# Altium PCB mach PCB.PcbDoc (part 1 of 6)
Units mm, origin at the board's own origin, x right, y up, seen from the top; angles counter-clockwise.
Board outline 300.6 x 300.64 mm, 2 copper layers (Top Layer, Bottom Layer); 688 components, 737 nets, 3205 pads, 25 vias.
Unrouted connection lines stored in the file: 1.
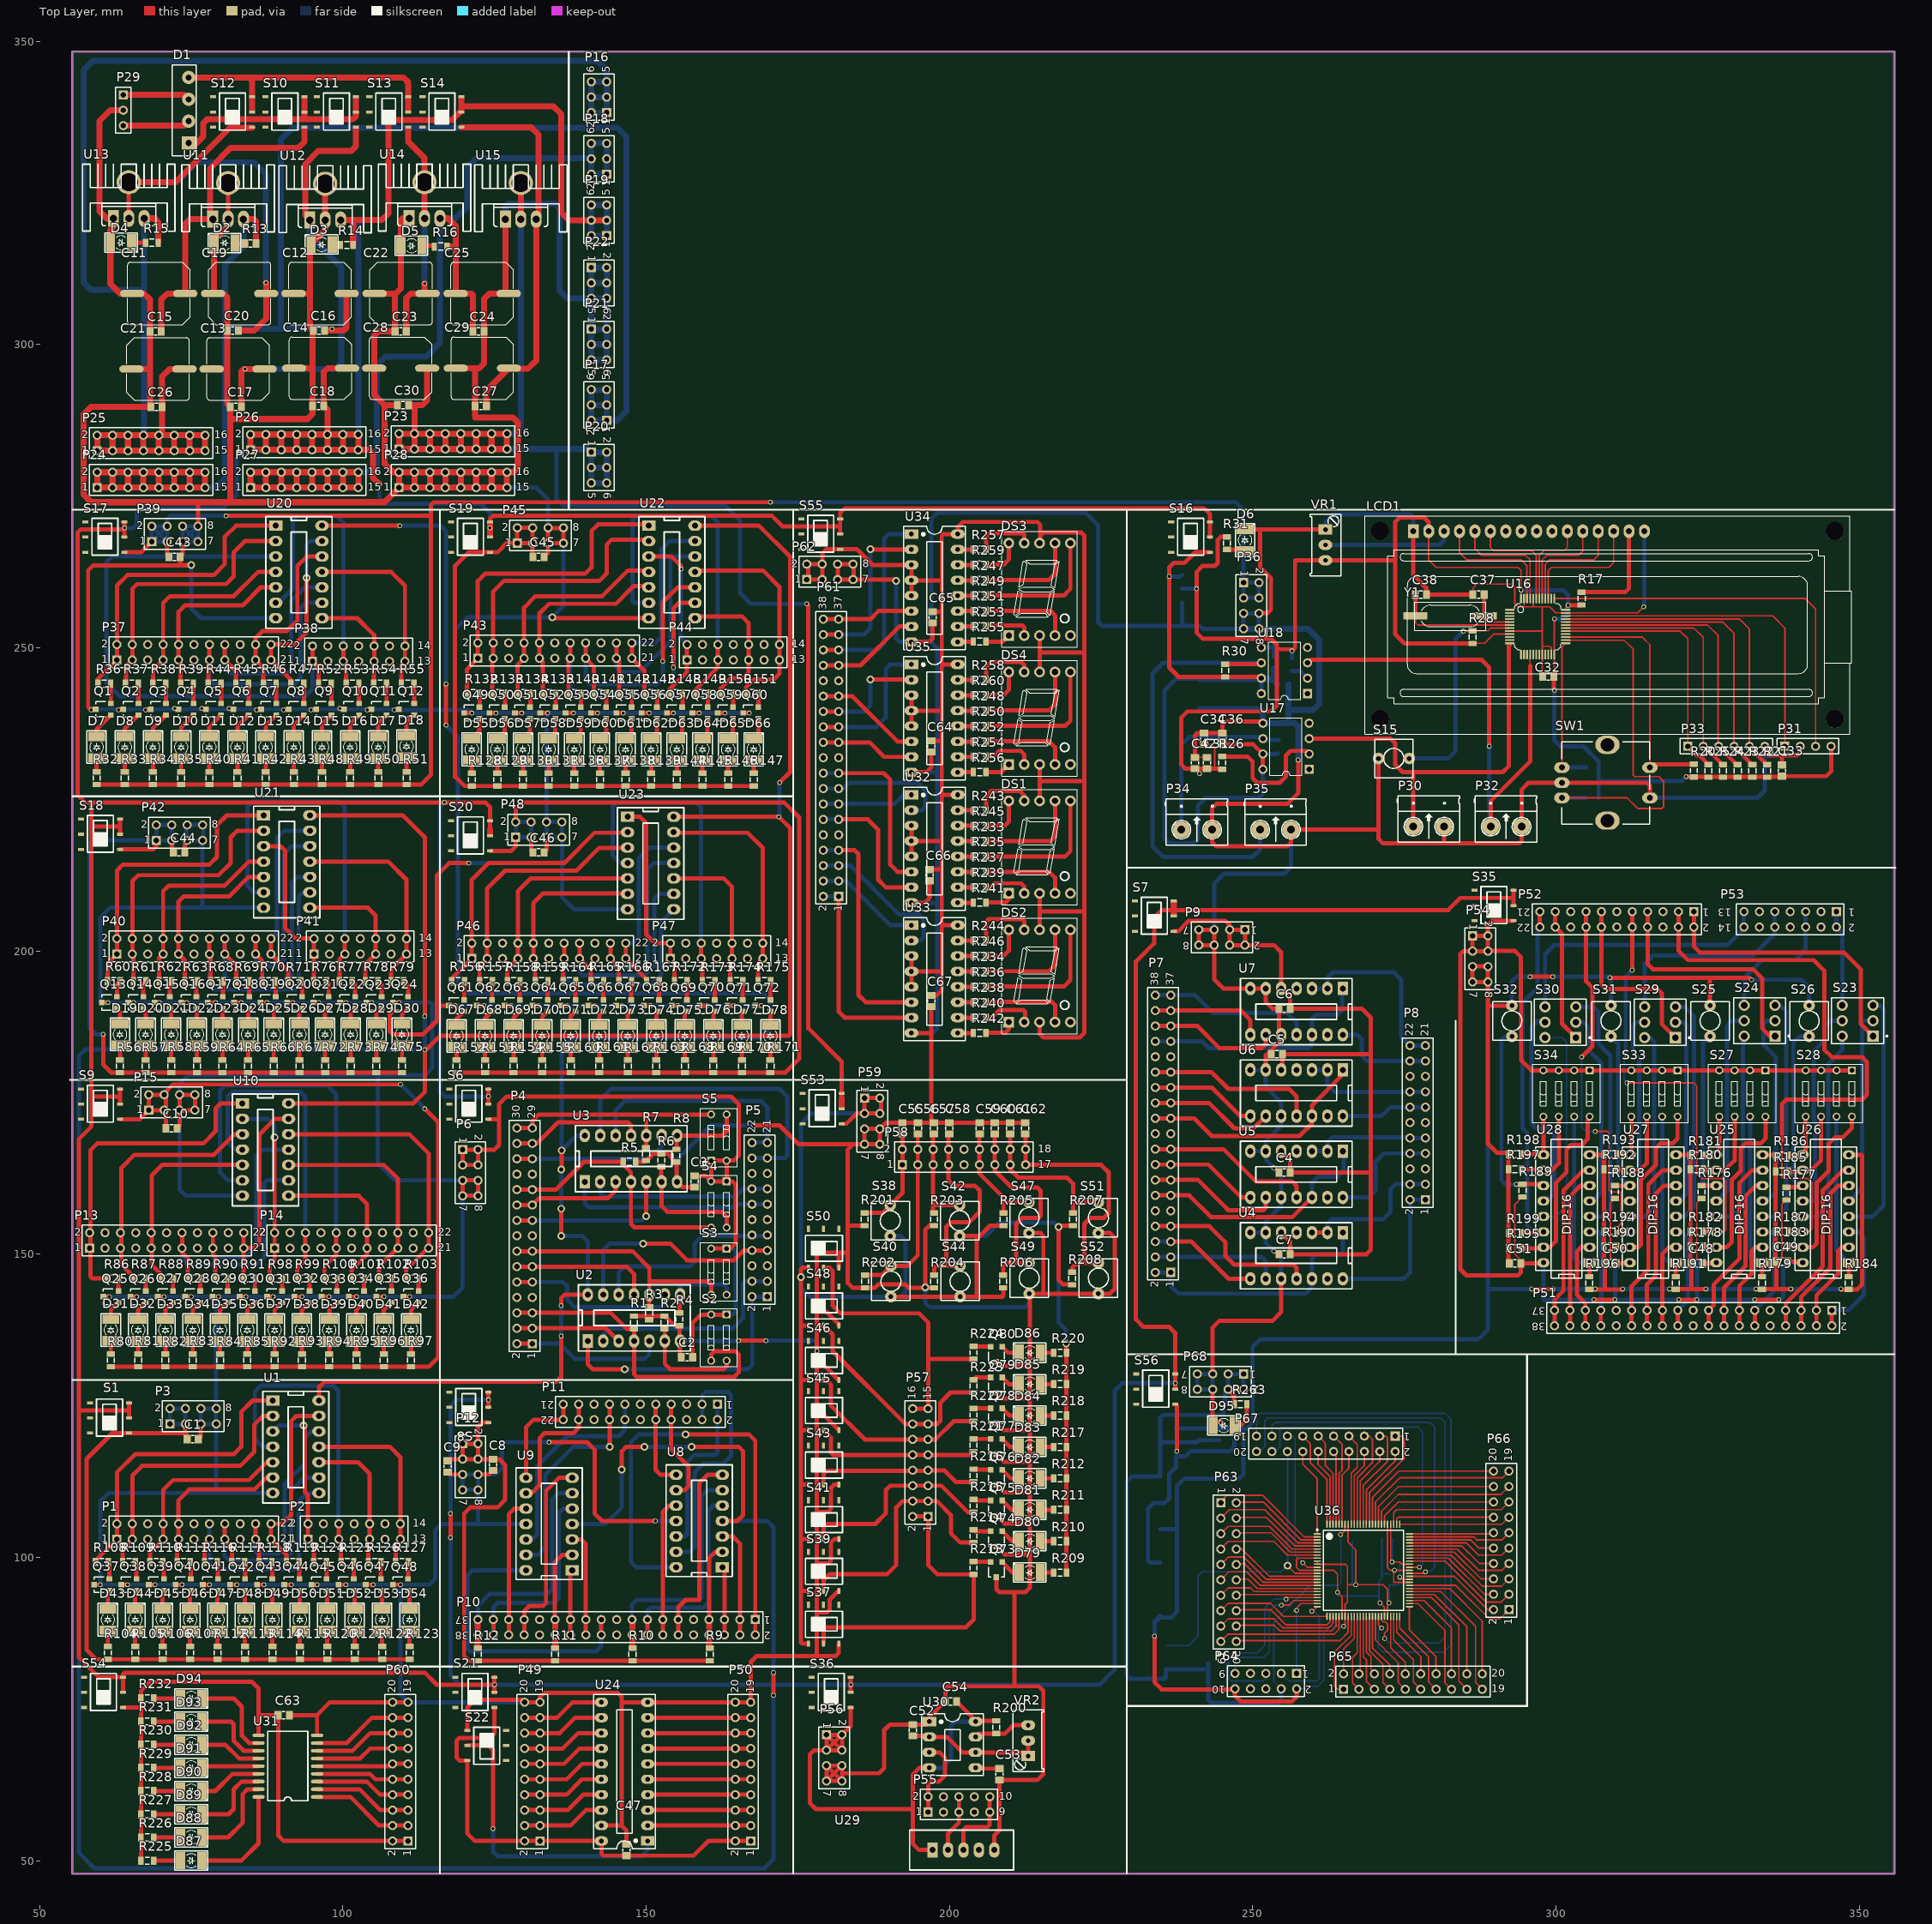
[diagram p0: Top Layer view]
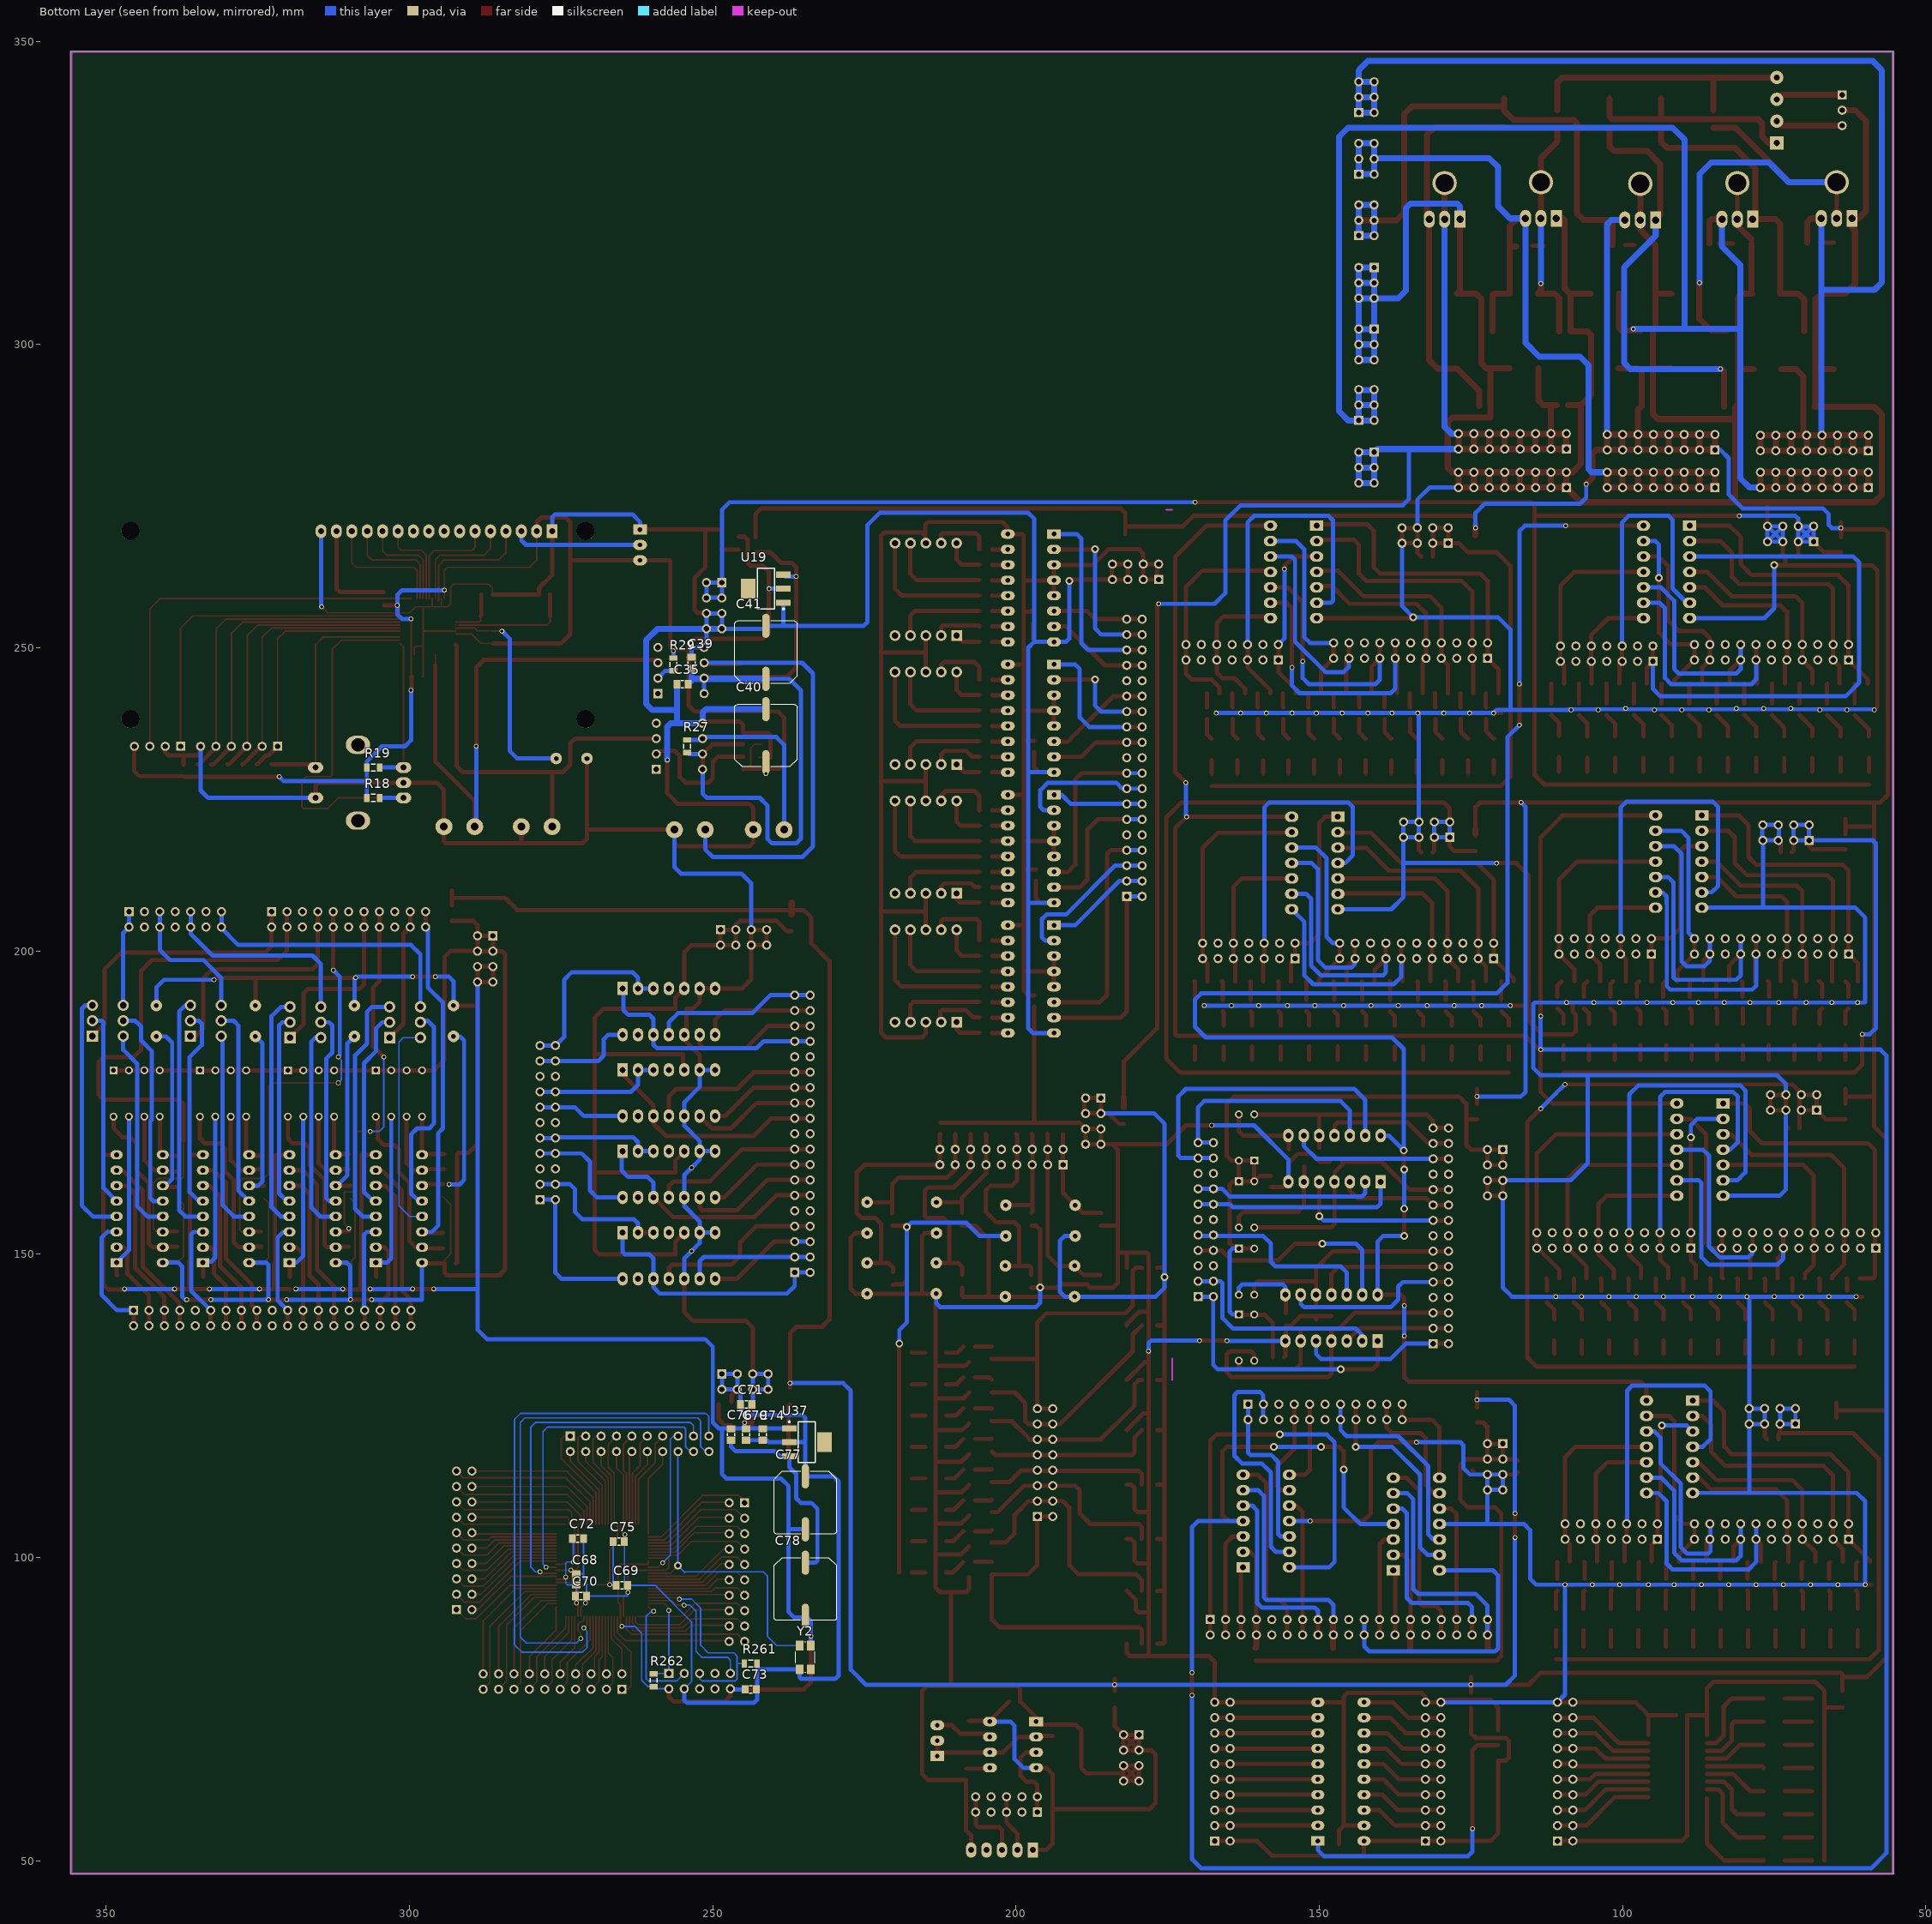
[diagram p1: Bottom Layer view, seen from below]
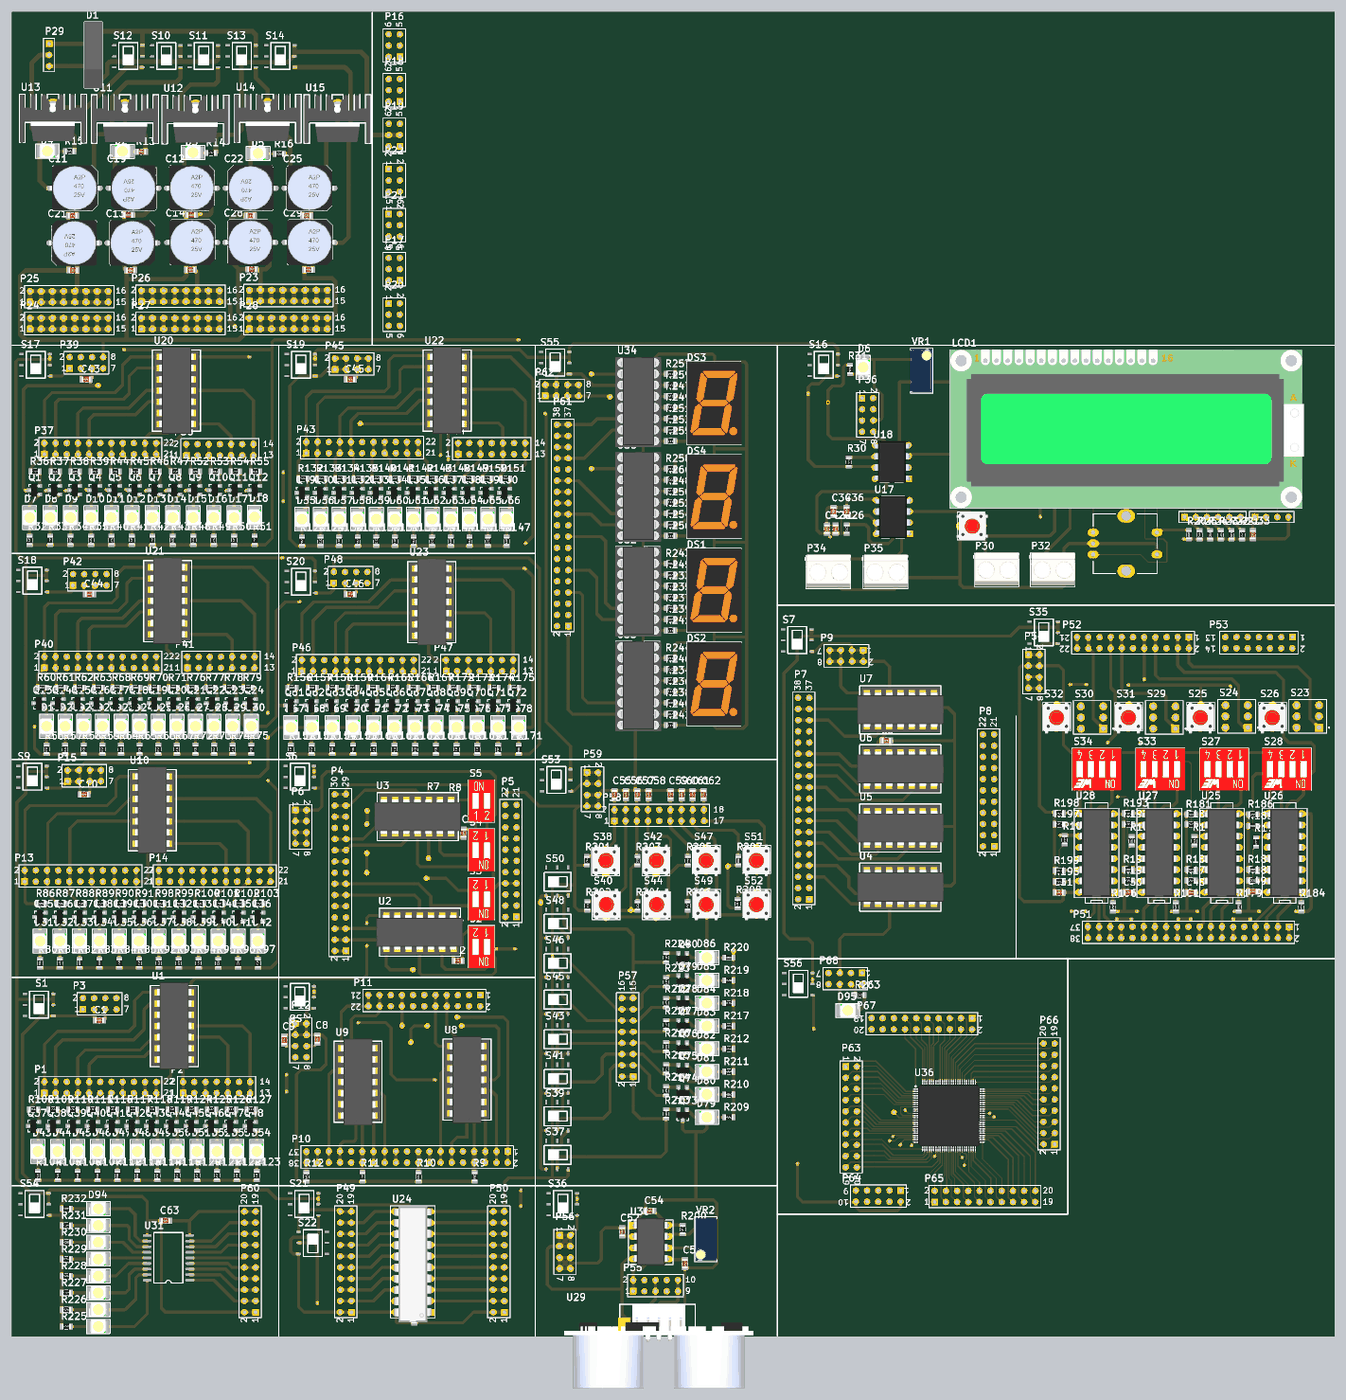
[diagram p7: 3D render of the assembled board from above, using the file's embedded part models]
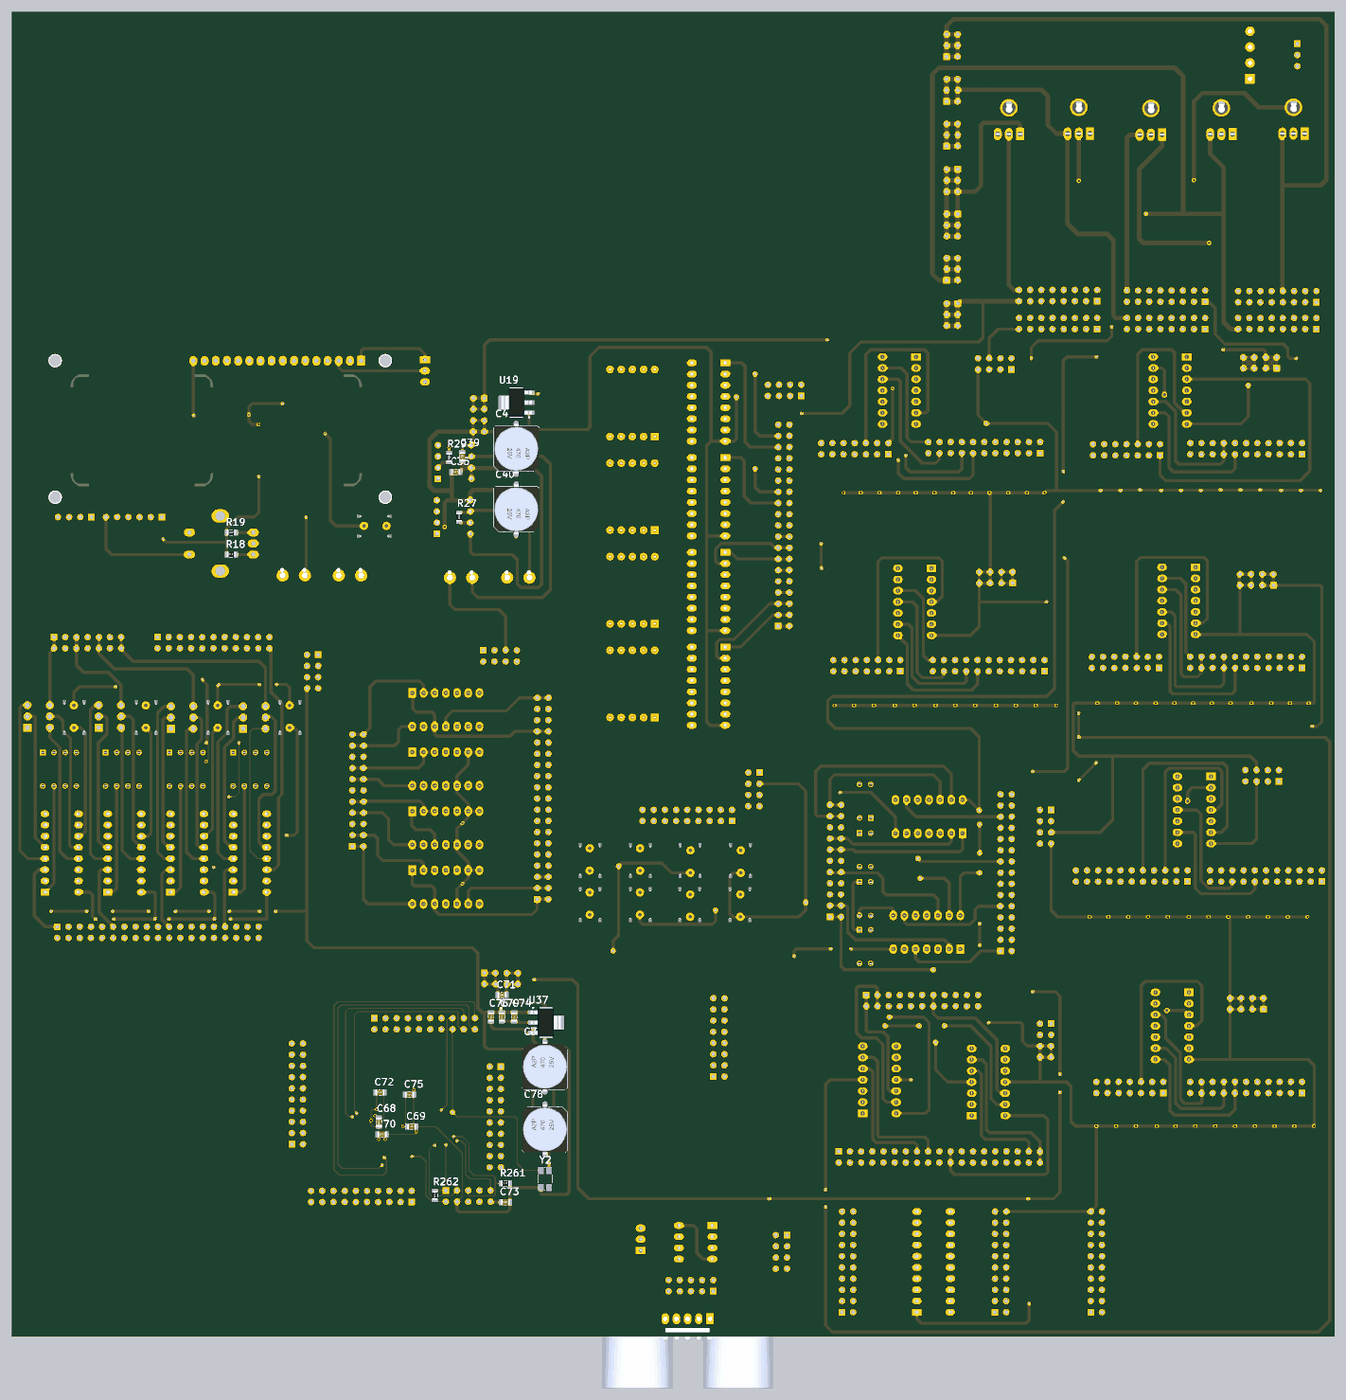
[diagram p8: 3D render of the assembled board from below, using the file's embedded part models]

## Layer stack, top to bottom
Top Layer: signal copper 0.0356
Dielectric: dielectric 0.32, FR-4, Dk 4.8
Bottom Layer: signal copper 0.0356

## Board outline
55.3,47.91 ccw(c55.45,47.91) 55.45,47.76 355.75,47.76 ccw(c355.75,47.91) 355.9,47.91 355.9,348.21 ccw(c355.75,348.21) 355.899,348.23 ccw(c355.75,348.25) 355.9,348.25 ccw(c355.75,348.25) 355.75,348.4 55.45,348.4 ccw(c55.45,348.25) 55.3,348.25

## Design rules (kind name [scope] priority, off if disabled: settings)
Clearance [All] p1: gap=0.2
ComponentClearance [All] p1 off: gap=0.254 collisioncheckmode=3 verticalgap=0.254 showdistances=FALSE
Height [All] p1 off: minheight=0 maxheight=25.4 prefheight=12.7
HoleSize [All] p1 off: absolutevalues=TRUE maxlimit=2.54 minlimit=0.025 maxpercent=80.000 minpercent=20.000
HoleToHoleClearance [All] p1 off: gap=0.254 allowstackedmicrovias=TRUE
LayerPairs [All] p1 off: enforce=TRUE
MinimumSolderMaskSliver [All] p1 off: minsoldermaskwidth=0.254
NetAntennae [All] p1 off: netantennaetolerance=0
PolygonConnect [All] p1: connectstyle=Relief reliefconductorwidth=0.254 reliefentries=4 polygonreliefangle="90 Angle"
RoutingVias [All] p1: holewidth=0.711 width=1.27 viastyle="Through Hole" minholewidth=0.711 minwidth=1.27 maxholewidth=0.711 maxwidth=1.27
SilkToSilkClearance [All] p1 off: silktosilkclearance=0.254
SilkscreenOverComponentPads [All] p1 off: minsilkscreentomaskgap=0.254
SolderMaskExpansion [All] p1: expansion=0.102
Width [All] p1: maxlimit=1 minlimit=0.254 preferedwidth=0.7
19 further rules are at their usual default settings.

## Classes and differential pairs
component class 03-PulseGenerator: C31 C32 C33 C34 C35 C36 C37 C38 C39 C40 C41 C42 D6 LCD1 P30 P31 P32 P33 P34 P35 P36 R17 R18 R19 R20 R21 R22 R23 R24 R25 R26 R27 R28 R29 R30 R31 S15 S16 SW1 U16 U17 U18 U19 VR1 Y1
component class 10-Buffer: C47 P49 P50 S21 S22 U24
component class 05-LogicOR: C44 P40 P41 P42 S18 U21
component class 01-Breadboard: P16 P17 P18 P19 P20 P21 P22
component class 02-PowerSupply: C11 C12 C13 C14 C15 C16 C17 C18 C19 C20 C21 C22 C23 C24 C25 C26 C27 C28 C29 C30 D1 D2 D3 D4 D5 P23 P24 P25 P26 P27 P28 P29 R13 R14 R15 R16 S10 S11 S12 S13 S14 U11 U12 U13 U14 U15
component class 04-ANDStatusLed: D7 D8 D9 D10 D11 D12 D13 D14 D15 D16 D17 D18 Q1 Q2 Q3 Q4 Q5 Q6 Q7 Q8 Q9 Q10 Q11 Q12 R32 R33 R34 R35 R36 R37 R38 R39 R40 R41 R42 R43 R44 R45 R46 R47 R48 R49 R50 R51 R52 R53 R54 R55
component class 04-LogicAND: C43 P37 P38 P39 S17 U20
component class 05-ORStatusLed: D19 D20 D21 D22 D23 D24 D25 D26 D27 D28 D29 D30 Q13 Q14 Q15 Q16 Q17 Q18 Q19 Q20 Q21 Q22 Q23 Q24 R56 R57 R58 R59 R60 R61 R62 R63 R64 R65 R66 R67 R68 R69 R70 R71 R72 R73 R74 R75 R76 R77 R78 R79
component class 06-LogicNOT: C10 P13 P14 P15 S9 U10
component class 06-NOTStatusLed: D31 D32 D33 D34 D35 D36 D37 D38 D39 D40 D41 D42 Q25 Q26 Q27 Q28 Q29 Q30 Q31 Q32 Q33 Q34 Q35 Q36 R80 R81 R82 R83 R84 R85 R86 R87 R88 R89 R90 R91 R92 R93 R94 R95 R96 R97 R98 R99 R100 R101 R102 R103
component class 07-LogicXOR: C1 P1 P2 P3 S1 U1
component class 07-XORStatusLed: D43 D44 D45 D46 D47 D48 D49 D50 D51 D52 D53 D54 Q37 Q38 Q39 Q40 Q41 Q42 Q43 Q44 Q45 Q46 Q47 Q48 R104 R105 R106 R107 R108 R109 R110 R111 R112 R113 R114 R115 R116 R117 R118 R119 R120 R121 R122 R123 R124 R125 R126 R127
component class 08-LogicNAND: C45 P43 P44 P45 S19 U22
component class 08-NANDStatusLed: D55 D56 D57 D58 D59 D60 D61 D62 D63 D64 D65 D66 Q49 Q50 Q51 Q52 Q53 Q54 Q55 Q56 Q57 Q58 Q59 Q60 R128 R129 R130 R131 R132 R133 R134 R135 R136 R137 R138 R139 R140 R141 R142 R143 R144 R145 R146 R147 R148 R149 R150 R151
component class 09-LogicNOR: C46 P46 P47 P48 S20 U23
component class 09-NORStatusLed: D67 D68 D69 D70 D71 D72 D73 D74 D75 D76 D77 D78 Q61 Q62 Q63 Q64 Q65 Q66 Q67 Q68 Q69 Q70 Q71 Q72 R152 R153 R154 R155 R156 R157 R158 R159 R160 R161 R162 R163 R164 R165 R166 R167 R168 R169 R170 R171 R172 R173 R174 R175
component class 11-DFlipFlop: C2 C3 P4 P5 P6 R1 R2 R3 R4 R5 R6 R7 R8 S2 S3 S4 S5 S6 U2 U3
component class 12-JKFlipFlop: C8 C9 P10 P11 P12 R9 R10 R11 R12 S8 U8 U9
component class 13-Counter74LS90: C4 C5 C6 C7 P7 P8 P9 S7 U4 U5 U6 U7
component class 14-Counter74LS192: C48 C49 C50 C51 P51 P52 P53 P54 R176 R177 R178 R179 R180 R181 R182 R183 R184 R185 R186 R187 R188 R189 R190 R191 R192 R193 R194 R195 R196 R197 R198 R199 S23 S24 S25 S26 S27 S28 S29 S30 S31 S32 S33 S34 S35 U25 U26 U27 U28
component class 15-DistanceSRF05: C52 C53 C54 P55 P56 R200 S36 U29 U30 VR2
component class 16-BitSWStatusLed: D79 D80 D81 D82 D83 D84 D85 D86 Q73 Q74 Q75 Q76 Q77 Q78 Q79 Q80 R209 R210 R211 R212 R213 R214 R215 R216 R217 R218 R219 R220 R221 R222 R223 R224
component class 16-BitSW: C55 C56 C57 C58 C59 C60 C61 C62 P57 P58 P59 R201 R202 R203 R204 R205 R206 R207 R208 S37 S38 S39 S40 S41 S42 S43 S44 S45 S46 S47 S48 S49 S50 S51 S52 S53
component class 17-Led: C63 D87 D88 D89 D90 D91 D92 D93 D94 P60 R225 R226 R227 R228 R229 R230 R231 R232 S54 U31
component class 18-Led7: C64 C65 C66 C67 DS1 DS2 DS3 DS4 P61 P62 R233 R234 R235 R236 R237 R238 R239 R240 R241 R242 R243 R244 R245 R246 R247 R248 R249 R250 R251 R252 R253 R254 R255 R256 R257 R258 R259 R260 S55 U32 U33 U34 U35
component class 19-CPLD: C68 C69 C70 C71 C72 C73 C74 C75 C76 C77 C78 C79 D95 P63 P64 P65 P66 P67 P68 R261 R262 R263 S56 U36 U37 Y2

## Components (designator, comment, footprint, x,y, rotation, side; value= is the part's Value field where it differs from the comment)
C1 "104" C-0805 75.25,119.5 r0 top
C2 "104" C-0805 156.75,133 r180 top
C3 "104" C-0805 158,162 r270 top
C4 "104" c-0805 255.25,163.5 r180 top
C5 "104" c-0805 254,183 r180 top
C6 "104" c-0805 255.25,190.5 r180 top
C7 "104" c-0805 255.25,150 r180 top
C8 "104" c-0805 124.75,115.25 r270 top
C9 "104" c-0805 117.25,115 r270 top
C10 "104" C-0805 71.75,170.75 r0 top
C11 "1000uF/25V" C-ALU-10x10mm 69.654,308.416 r90 top
C12 "1000uF/25V" C-ALU-10x10mm 96.248,308.416 r90 top
C13 "1000uF/25V" C-ALU-10x10mm 82.735,295.97 r90 top
C14 "1000uF/25V" C-ALU-10x10mm 96.324,296.097 r90 top
C15 "104" C-0805 69.146,302.193 r0 top
C16 "104" C-0805 96.07,302.32 r0 top
C17 "104" C-0805 82.354,289.747 r0 top
C18 "104" C-0805 95.943,289.874 r0 top
C19 "1000uF/25V" C-ALU-10x10mm 82.989,308.416 r270 top
C20 "104" C-0805 81.846,302.32 r0 top
C21 "1000uF/25V" C-ALU-10x10mm 69.527,295.97 r270 top
C22 "1000uF/25V" C-ALU-10x10mm 109.608,308.416 r270 top
C23 "104" C-0805 109.532,302.193 r0 top
C24 "104" C-0805 122.359,302.193 r180 top
C25 "1000uF/25V" C-ALU-10x10mm 122.969,308.416 r90 top
C26 "104" C-0805 69.273,289.747 r0 top
C27 "104" C-0805 122.74,289.874 r0 top
C28 "470uF/16V" C-ALU-10x10mm 109.532,296.097 r90 top
C29 "470uF/16V" C-ALU-10x10mm 122.994,296.097 r90 top
C30 "104" C-0805 109.913,290.001 r0 top
C31 "104" c-0805 242.5,231 r270 top
C32 "104" c-0805 298.75,245.25 r0 top
C33 "104" c-0805 337.25,229.75 r270 top
C34 "104" c-0805 242,235 r270 top
C35 "104" c-0805 255,244 r180 bottom
C36 "104" c-0805 245,235 r270 top
C37 "22" c-0805 287.25,258.75 r0 top
C38 "22" c-0805 277.75,258.75 r180 top
C39 "104" c-0805 253.5,247.5 r270 bottom
C40 "470uF/16V" C-ALU-10x10mm 241.25,235.5 r180 bottom
C41 "470uF/16V" C-ALU-10x10mm 241.25,249.25 r180 bottom
C42 "104" c-0805 240.5,231 r270 top
C43 "104" C-0805 72.25,265 r0 top
C44 "104" C-0805 73,216.25 r0 top
C45 "104" C-0805 132.25,265 r0 top
C46 "104" C-0805 132.25,216.25 r0 top
C47 "104" C-0805 146.75,51.75 r90 top
C48 "104" c-0805 323.25,148.5 r180 top
C49 "104" c-0805 337.25,148.75 r180 top
C50 "104" c-0805 309,148.5 r180 top
C51 "104" c-0805 293.275,148.5 r180 top
C52 "102" c-0805 194,71.5 r270 top
C53 "104" c-0805 208.25,64.25 r90 top
C54 "104" c-0805 200.25,76.25 r0 top
C55 "104" C-0805 192.25,170.75 r270 top
C56 "104" C-0805 194.833,170.75 r270 top
C57 "104" C-0805 197.417,170.75 r270 top
C58 "104" C-0805 200,170.75 r270 top
C59 "104" C-0805 205,170.75 r270 top
C60 "104" C-0805 207.5,170.75 r270 top
C61 "104" C-0805 210,170.75 r270 top
C62 "104" C-0805 212.5,170.75 r270 top
C63 "104" C-0805 90.25,74 r0 top
C64 "104" c-0805 197,233.75 r270 top
C65 "104" c-0805 197.25,255 r270 top
C66 "104" c-0805 196.75,212.5 r270 top
C67 "104" c-0805 197,191.75 r270 top
C68 "104" c-0805 272.5,96.38 r270 bottom
C69 "104" c-0805 265,95.38 r0 bottom
C70 "104" c-0805 271.75,93.63 r0 bottom
C71 "104" c-0805 244.5,125.25 r180 bottom
C72 "104" c-0805 272.25,103.13 r0 bottom
C73 "104" c-0805 243.75,78.25 r0 bottom
C74 "104" c-0805 241.75,120.25 r90 bottom
C75 "104" c-0805 265.5,102.63 r0 bottom
C76 "104" c-0805 247,120.25 r270 bottom
C77 "470uF/16V" C-ALU-10x10mm 234.75,109 r0 bottom
C78 "470uF/16V" C-ALU-10x10mm 234.75,94.75 r0 bottom
C79 "104" c-0805 244.5,120.25 r270 bottom
D1 "KPB307" D-DB-3A 73.845,338.642 r90 top
D2 "LED" LED-3528 80.5,316.75 r180 top
D3 "LED" LED-3528 96.5,316.5 r180 top
D4 "LED" LED-3528 63.431,316.798 r0 top
D5 "LED" LED-3528 111.31,316.29 r0 top
D6 "LED" LED-3528 248.75,267.75 r90 top
D7 "LED" LED-3528 59.403,233.616 r90 top
D8 "LED" LED-3528 64.048,233.616 r90 top
D9 "LED" LED-3528 68.693,233.616 r90 top
D10 "LED" LED-3528 73.339,233.616 r90 top
D11 "LED" LED-3528 77.984,233.616 r90 top
D12 "LED" LED-3528 82.629,233.616 r90 top
D13 "LED" LED-3528 87.274,233.616 r90 top
D14 "LED" LED-3528 91.919,233.616 r90 top
D15 "LED" LED-3528 96.564,233.616 r90 top
D16 "LED" LED-3528 101.21,233.616 r90 top
D17 "LED" LED-3528 105.855,233.616 r90 top
D18 "LED" LED-3528 110.5,233.75 r90 top
D19 "LED" LED-3528 63.25,186.25 r90 top
D20 "LED" LED-3528 67.477,186.25 r90 top
D21 "LED" LED-3528 71.705,186.25 r90 top
D22 "LED" LED-3528 75.932,186.25 r90 top
D23 "LED" LED-3528 80.159,186.25 r90 top
D24 "LED" LED-3528 84.386,186.25 r90 top
D25 "LED" LED-3528 88.614,186.25 r90 top
D26 "LED" LED-3528 92.841,186.25 r90 top
D27 "LED" LED-3528 97.068,186.25 r90 top
D28 "LED" LED-3528 101.295,186.25 r90 top
D29 "LED" LED-3528 105.523,186.25 r90 top
D30 "LED" LED-3528 109.75,186.25 r90 top
D31 "LED" LED-3528 61.75,137.5 r90 top
D32 "LED" LED-3528 66.25,137.5 r90 top
D33 "LED" LED-3528 70.75,137.5 r90 top
D34 "LED" LED-3528 75.25,137.5 r90 top
D35 "LED" LED-3528 79.75,137.5 r90 top
D36 "LED" LED-3528 84.25,137.5 r90 top
D37 "LED" LED-3528 88.75,137.5 r90 top
D38 "LED" LED-3528 93.25,137.5 r90 top
D39 "LED" LED-3528 97.75,137.5 r90 top
D40 "LED" LED-3528 102.25,137.5 r90 top
D41 "LED" LED-3528 106.75,137.5 r90 top
D42 "LED" LED-3528 111.25,137.5 r90 top
D43 "LED" LED-3528 61.25,89.75 r90 top
D44 "LED" LED-3528 65.773,89.75 r90 top
D45 "LED" LED-3528 70.295,89.75 r90 top
D46 "LED" LED-3528 74.818,89.75 r90 top
D47 "LED" LED-3528 79.341,89.75 r90 top
D48 "LED" LED-3528 83.864,89.75 r90 top
D49 "LED" LED-3528 88.386,89.75 r90 top
D50 "LED" LED-3528 92.909,89.75 r90 top
D51 "LED" LED-3528 97.432,89.75 r90 top
D52 "LED" LED-3528 101.955,89.75 r90 top
D53 "LED" LED-3528 106.477,89.75 r90 top
D54 "LED" LED-3528 111,89.75 r90 top
D55 "LED" LED-3528 121.25,233.25 r90 top
D56 "LED" LED-3528 125.477,233.25 r90 top
D57 "LED" LED-3528 129.705,233.25 r90 top
D58 "LED" LED-3528 133.932,233.25 r90 top
D59 "LED" LED-3528 138.159,233.25 r90 top
D60 "LED" LED-3528 142.386,233.25 r90 top
D61 "LED" LED-3528 146.614,233.25 r90 top
D62 "LED" LED-3528 150.841,233.25 r90 top
D63 "LED" LED-3528 155.068,233.25 r90 top
D64 "LED" LED-3528 159.295,233.25 r90 top
D65 "LED" LED-3528 163.523,233.25 r90 top
D66 "LED" LED-3528 167.75,233.25 r90 top
D67 "LED" LED-3528 118.75,186 r90 top
D68 "LED" LED-3528 123.455,186 r90 top
D69 "LED" LED-3528 128.159,186 r90 top
D70 "LED" LED-3528 132.864,186 r90 top
D71 "LED" LED-3528 137.568,186 r90 top
D72 "LED" LED-3528 142.273,186 r90 top
D73 "LED" LED-3528 146.977,186 r90 top
D74 "LED" LED-3528 151.682,186 r90 top
D75 "LED" LED-3528 156.386,186 r90 top
D76 "LED" LED-3528 161.091,186 r90 top
D77 "LED" LED-3528 165.795,186 r90 top
D78 "LED" LED-3528 170.5,186 r90 top
D79 "LED" LED-3528 213.25,97.5 r180 top
D80 "LED" LED-3528 213.25,102.679 r180 top
D81 "LED" LED-3528 213.25,107.857 r180 top
D82 "LED" LED-3528 213.25,113.036 r180 top
D83 "LED" LED-3528 213.25,118.214 r180 top
D84 "LED" LED-3528 213.25,123.393 r180 top
D85 "LED" LED-3528 213.25,128.571 r180 top
D86 "LED" LED-3528 213.25,133.75 r180 top
D87 "LED" LED-3528 75,50 r0 top
D88 "LED" LED-3528 75,53.821 r0 top
D89 "LED" LED-3528 75,57.643 r0 top
D90 "LED" LED-3528 75,61.464 r0 top
D91 "LED" LED-3528 75,65.286 r0 top
D92 "LED" LED-3528 75,69.107 r0 top
D93 "LED" LED-3528 75,72.929 r0 top
D94 "LED" LED-3528 75,76.75 r0 top
D95 "LED" LED-3528 245.25,121.75 r180 top
DS1 "Dpy Blue-CA" LED7SEG-1-0.56 214.75,216.5 r0 top
DS2 "Dpy Blue-CA" LED7SEG-1-0.56 214.75,195.25 r0 top
DS3 "Dpy Blue-CA" LED7SEG-1-0.56 214.75,259 r0 top
DS4 "Dpy Blue-CA" LED7SEG-1-0.56 214.75,237.75 r0 top
LCD1 "LCD1602" LCD-1602A 308.5,253.75 r0 top
P1 "Header 11X2" HDR2X11 62.75,103 r0 top
P2 "H7X2" HDR2X7 94.25,103 r0 top
P3 "Header 4X2" HDR2X4 71.5,122 r0 top
P4 "Header 15X2" HDR2X15 131.25,135.25 r90 top
P5 "Header 11X2" HDR2X11 170,143 r90 top
P6 "Header 4X2" HDR2X4 119.75,167.25 r270 top
P7 "Header 19X2" HDR2X19 236.5,147 r90 top
P8 "Header 11X2" HDR2X11 278.5,159 r90 top
P9 "Header 4X2" HDR2X4 248.75,203.5 r180 top